# Altium PCB galileo_cleaned.PcbDoc (part 7 of 10)
Units mil, origin at the board's own origin, x right, y up, seen from the top; angles counter-clockwise.
Board outline 4205 x 2835.09 mil, 6 copper layers (TOP, PWR, LYR_1, LYR_2, GND, BOTTOM), stack 80.1 mil thick; 533 components, 432 nets, 2101 pads, 1155 vias.
Unrouted connection lines stored in the file: 669.
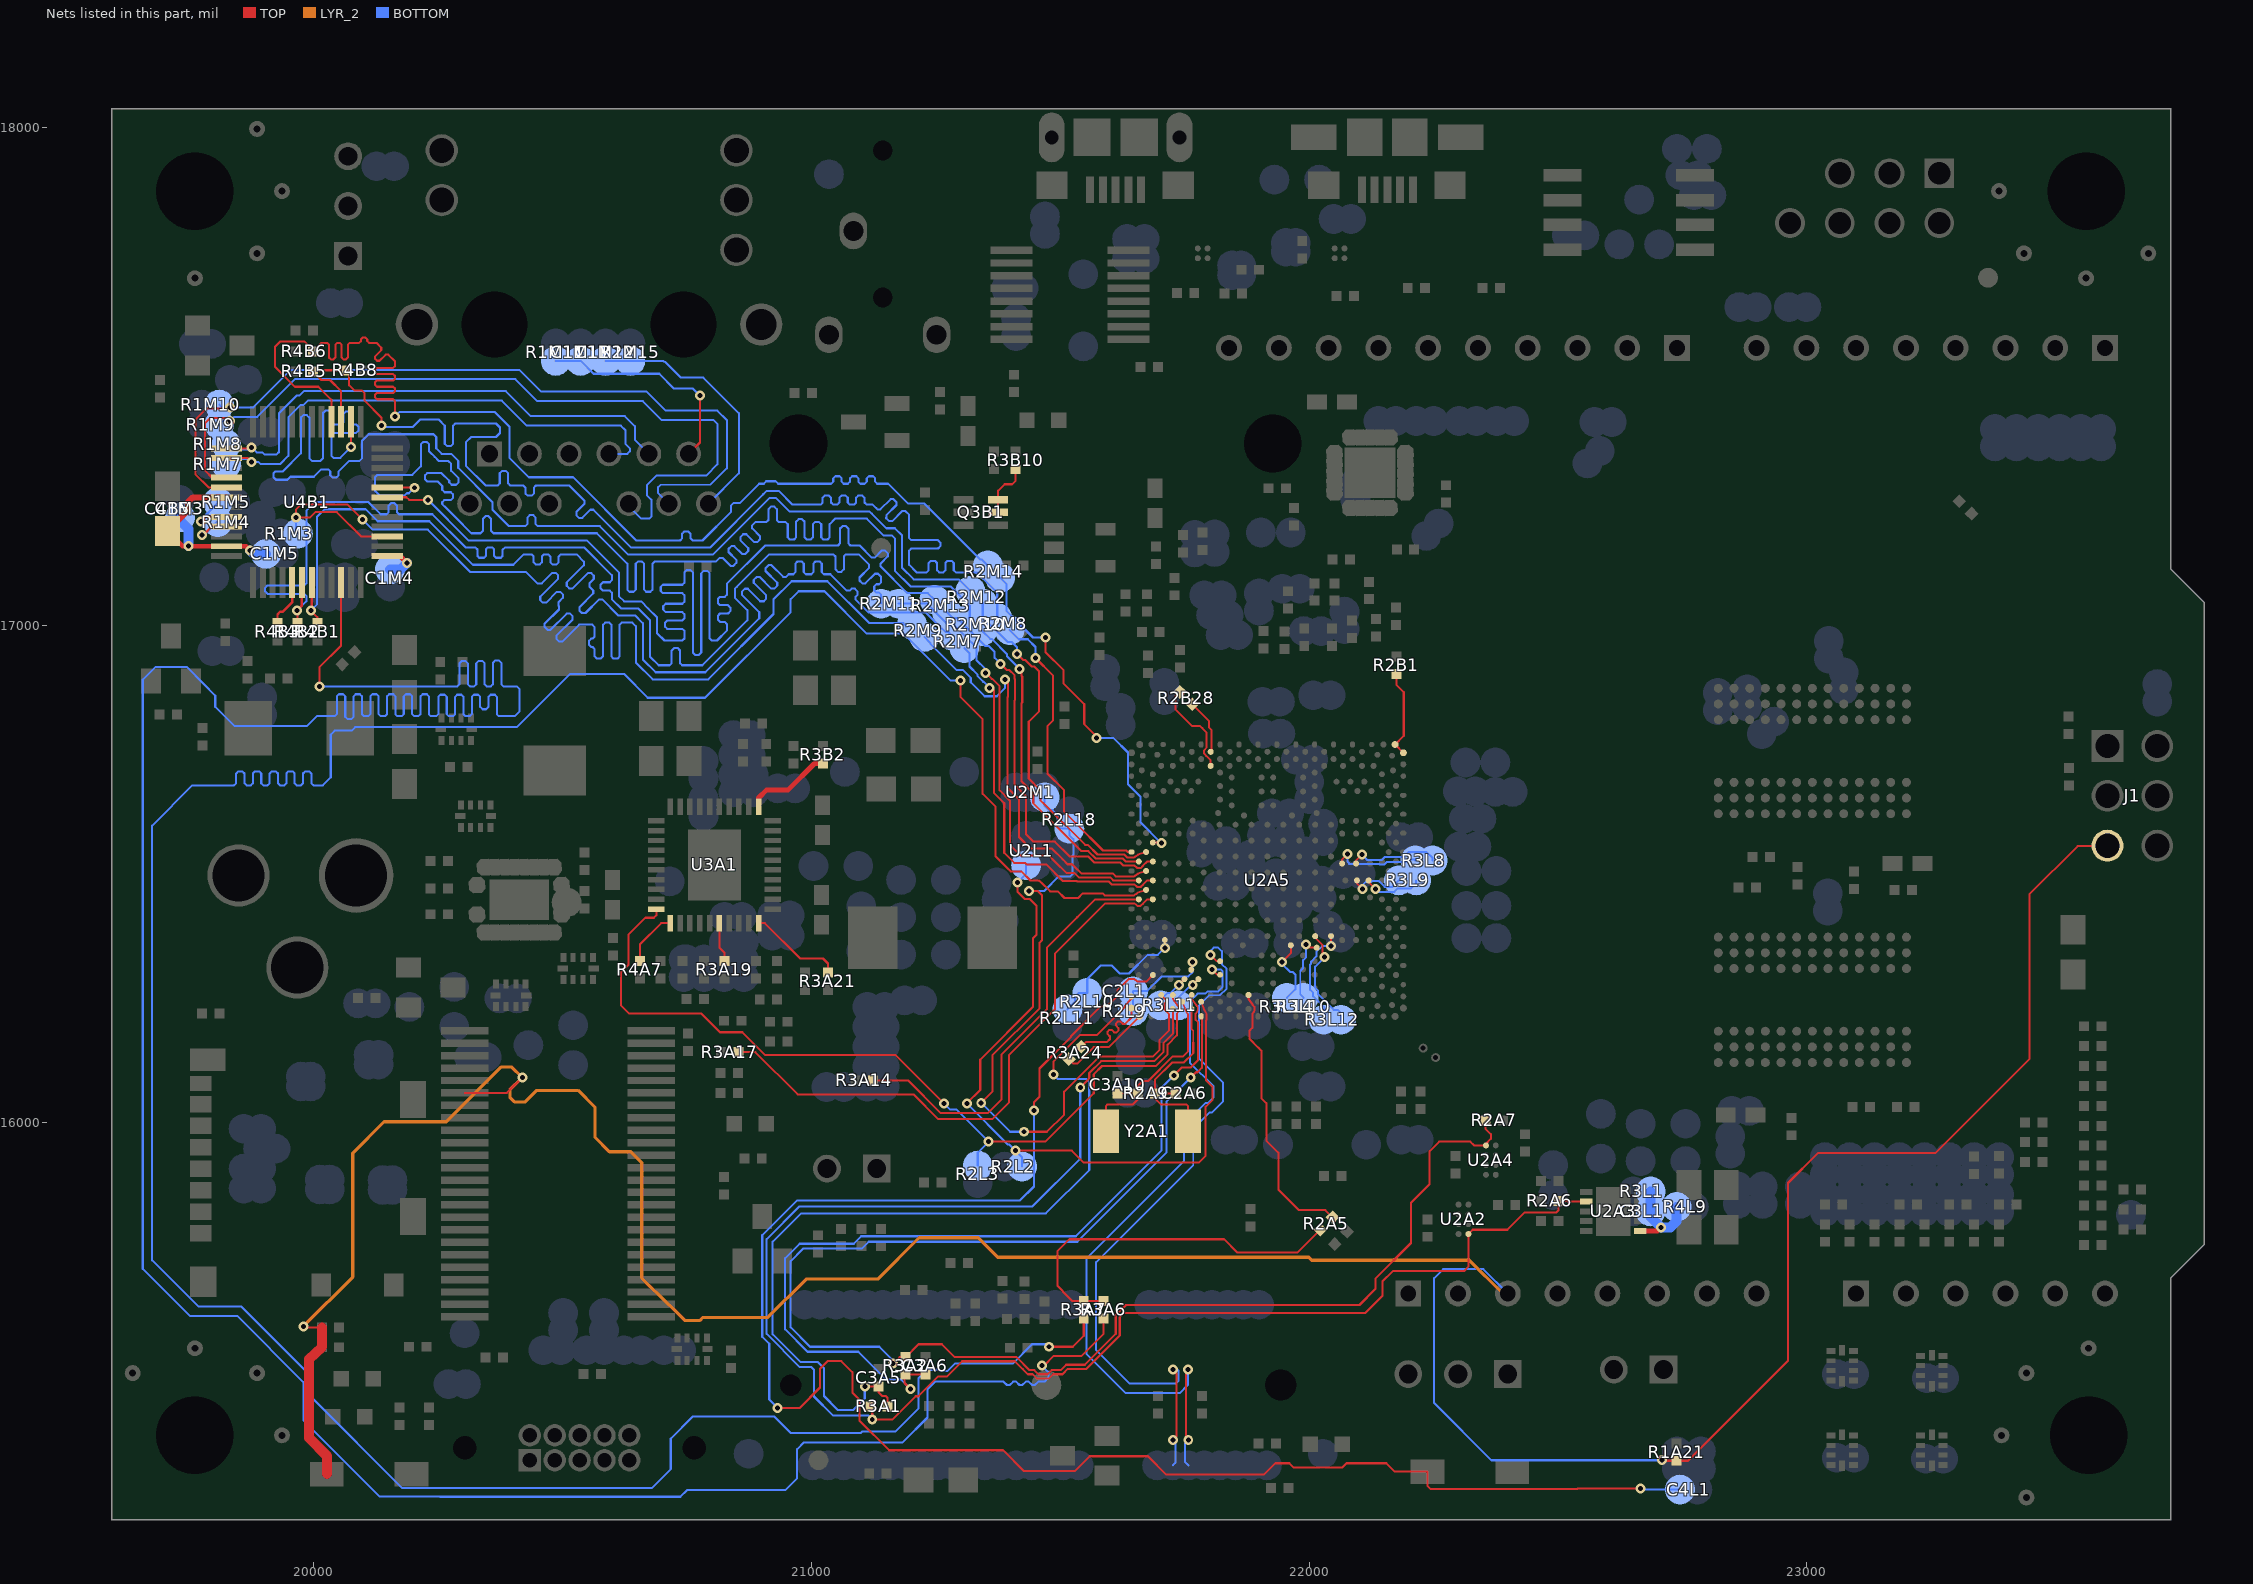
[diagram p11: the nets of this part, all layers, seen from the top]

## Via types
v1: diameter 20, hole 10, TOP to BOTTOM, 1096 vias
v2: diameter 18, hole 10, TOP to BOTTOM, 43 vias
v3: diameter 25, hole 25, TOP to BOTTOM, 16 vias

## Nets (pads, with @x,y where several pads share a name; then routed paths per layer and width w, separated by ;. In a path a pad name is that pad's centre, name@x,y a point inside that pad or via, vN(x,y) a via of type N, cw(c..) or ccw(c..) an arc to the next point about the centre after c; other vN are vias at no path point) (continued)
REF1_N: R3L11.2 U2A5.H6 | length 75.7
  TOP w4: v1(21738,16277) 21749.2,16288.2 U2A5.H6@21749.2,16288.62
  BOTTOM w4: R3L11.2@21702,16236 21702,16247 21716,16261 21722,16261 v1(21738,16277)
REF1_P: R3L11.1 U2A5.J6 | length 72.7
  TOP w4: v1(21766,16277) 21777.2,16288.2 U2A5.J6@21777.2,16288.62
  BOTTOM w4: R3L11.1@21737,16236 21735,16238 21735,16249 21763,16277 v1(21766,16277)
REFCLK0_N: U2A5.M6 | length 1464.6
  TOP w4: v1(21756,15504) 21752,15500 21752,15368 v1(21757,15363) ; v1(21804.98,16308.26) 21804.98,16308.12 21815.58,16297.52 U2A5.M6@21820.98,16297.52
  BOTTOM w3.99: 21774.9,16258.7 21776.31,16260.11 21791.89,16260.11 21796.04,16264.26 21817.26,16264.26 21826,16273 21826,16304.24 21821.98,16308.26 v1(21804.98,16308.26)
  BOTTOM w4: v1(21756,15504) 21756,15473.13 21739.87,15457 21631.13,15457 21553,15535.13 21553,15727.87 21748,15922.87 21748,15995.81 21792.19,16040 21797,16040 21808,16051 21808,16073 21760,16121 21760,16243.79 21761.21,16245 21774.9,16258.7 ; v1(21757,15363) 21750,15356 21750,15319.09 21757.51,15311.58
REFCLK0_P: U2A5.M8 | length 1460.2
  TOP w4: v1(21726,15363) 21733,15370 21733,15497 v1(21726,15504) ; v1(21802,16337) 21814.34,16324.66 U2A5.M8@21820.98,16324.66
  BOTTOM w3.99: 21788.34,16245.26 21789.04,16245.96 ; 21793.9,16250.82 21799.35,16256.27 21820.57,16256.27 21833.99,16269.69 21833.99,16309.31 21824.31,16318.99 21824.31,16344.69 21817,16352 21808,16352 21802,16346 v1(21802,16337)
  BOTTOM w4: 21726.02,15311.58 21731,15316.56 21731,15358 v1(21726,15363) ; v1(21726,15504) 21735,15504 21737,15502 21737,15481 21732,15476 21639,15476 21572,15543 21572,15720 21767,15915 21767,15987.94 21800.06,16021 21804.87,16021 21827,16043.13 21827,16080.87 21779,16128.87 21779,16235.92 21788.34,16245.26 ; 21789.04,16245.96 21793.9,16250.82
REFIN_VTT_REG: C3L1.1 R3L1.1 R4L9.2 U2A3.1 | length 190.7
  TOP w10: U2A3.1@22665,15782.62 22699.62,15782.62 v1(22707,15790)
  BOTTOM w20: R3L1.1@22686,15862 C3L1.1@22686,15822 22686,15811 v1(22707,15790) 22726,15790 22738,15802 R4L9.2@22738,15831
RESET_N: C4L1.1 U2A5.D6 | length 3604.5
  TOP w4: 21582,16234 21593.36,16234 21614.93,16255.57 21614.93,16266.91 21636.98,16288.96 21648.17,16288.96 21648.25,16288.9 ; 21648.19,16288.96 21648.25,16288.9 ; U2A5.D6@21685.82,16296.96 21672.56,16283.7 21654.69,16283.7 21652.05,16286.1 21648.25,16288.9
  TOP w4.2: v1(20932,15427) 20976,15427 21017,15468 21017,15506 21032,15521 21060,15521 21082,15499 21082,15458 21096.49,15443.5 21096.49,15401.5 21156,15342 21385,15342 21427,15300 21529,15300 21559,15330 21676,15330 21713,15293 21909,15293 21932,15316 21960,15316 21969,15307 22066,15307 22075,15316 22155,15316 22172,15299 22238,15299 22238,15270 22244,15264 22538,15264 22539,15265 v1(22666,15265) ; v1(21447,16025) 21447,16041 21458,16052 21458,16109.03 21521.5,16172.54 21521.5,16174.5 21581,16234 21582,16234
  BOTTOM w4.2: v1(20932,15427) 20915,15444 20915,15556 20901,15570 20901,15774 20971,15844 21419,15844 21447,15872 v1(21447,16025) ; v1(22666,15265) 22668,15263 C4L1.1@22745,15263
RESET_N_SHLD: J1.5 R1A21.2 | length 6587.3
  TOP w4.2: v1(19979,15591) 19981,15589 20016,15589 ; 20303,16060 20388,16060 v1(20419,16091) ; v1(22709,15322) 22710,15321 R1A21.2@22738,15321 22761,15321 22962,15522 22962,15879 23022,15939 23258,15939 23447,16128 23447,16459 23544,16556 23603,16556 J1.5@23604,16557
  TOP w20: 20016,15589 20016,15549 19990,15525 19990,15367 20026,15331 20026,15294
  LYR_2 w6.5: v1(19979,15591) 20078,15690 20078,15939 20141,16002 20266,16002 20376,16112 20398,16112 v1(20419,16091) 20394,16066 20394,16051 20403,16042 20425,16042 20448,16065 20531,16065 20565,16031 20565,15971 20594,15942 20637,15942 20659,15920 20659,15688 20713,15634 20714,15634 20745,15603 20776,15603 20782,15609 20912,15609 20989,15686 21133,15686 21216,15769 21335,15769 21374,15730 21999,15730 22005,15724 22322,15724 22389,15657 22399,15657
  BOTTOM w4.2: 22399,15657 22350,15706 22269,15706 22251,15688 22251,15437 22366,15322 v1(22709,15322)
RLIM1_1: R3A21.1 U3A1.10 | length 191
  TOP w4.2: U3A1.10@20893.58,16401.12 20906.18,16401.12 20977.3,16330 21023,16330 21033,16320 R3A21.1@21033,16302
RLIM1_2: R3B2.1 U3A1.21 | length 175.9
  TOP w10: U3A1.21@20893.58,16634.88 20893.58,16652.58 20910,16669 20953,16669 21006,16722 R3B2.1@21023,16722
RLIM1_3: R4A7.1 U3A1.1 | length 112.4
  TOP w4.2: R4A7.1@20655,16325 20655,16358.12 20698,16401.12 U3A1.1@20716.42,16401.12
RMII_I_X1: R3A6.2 U4B1.34 | length 6183.4
  TOP w4.2: v1(20011,16877) 20011,16915 20054.9,16958.9 U4B1.34@20054.9,17085.58 ; v1(21463,15512) 21467,15512 21486,15531 21542,15531 21587,15576 R3A6.2@21587,15607
  BOTTOM w4.2: v1(20011,16877) 20288.47,16877 20292.67,16881.2 20292.67,16923.08 20297.59,16928 20304.55,16928 20309.47,16923.08 20309.47,16881.2 20313.67,16877 20322.07,16877 20326.27,16881.2 20326.27,16923.08 20331.19,16928 20338.15,16928 20343.07,16923.08 20343.07,16881.2 20347.27,16877 20355.67,16877 20359.87,16881.2 20359.87,16924.08 20364.79,16929 20371.75,16929 20376.67,16924.08 20376.67,16881.2 20380.87,16877 20408,16877 20413,16872 20413,16826 20404,16817 20372.03,16817 20367.83,16821.2 20367.83,16855.8 20363.63,16860 20355.23,16860 20351.03,16855.8 20351.03,16835.92 20346.11,16831 20339.15,16831 20334.23,16835.92 20334.23,16855.8 20330.03,16860 20321.63,16860 20317.43,16855.8 20317.43,16821.2 20313.23,16817 20304.83,16817 20300.63,16821.2 20300.63,16855.8 20296.43,16860 20288.03,16860 20283.83,16855.8 20283.83,16821.2 20279.63,16817 20271.23,16817 20267.03,16821.2 20267.03,16855.8 20262.83,16860 20254.43,16860 20250.23,16855.8 20250.23,16821.2 20246.03,16817 20235.29,16817 20231.09,16821.2 20231.09,16856.8 20226.89,16861 20218.49,16861 20214.29,16856.8 20214.29,16821.2 20210.09,16817 20201.69,16817 20197.49,16821.2 20197.49,16856.8 20193.29,16861 20184.89,16861 20180.69,16856.8 20180.69,16821.2 20176.49,16817 20168.09,16817 20163.89,16821.2 20163.89,16856.8 20159.69,16861 20151.29,16861 20147.09,16856.8 20147.09,16821.2 20142.89,16817 20134.49,16817 20130.29,16821.2 20130.29,16856.8 20126.09,16861 20117.69,16861 20113.49,16856.8 20113.49,16821.2 20109.29,16817 20100.89,16817 20096.69,16821.2 20096.69,16856.8 20092.49,16861 20084.09,16861 20079.89,16856.8 20079.89,16815.92 20074.97,16811 20068.01,16811 20063.09,16815.92 20063.09,16856.8 20058.89,16861 20050.49,16861 20046.29,16856.8 20046.29,16821.2 20042.09,16817 20006,16817 19986,16797 19841,16797 19802,16836 19802,16858.42 19778.71,16881.71 19744.42,16916 19682,16916 19656.2,16890.2 19656.2,15706.8 19751,15612 19846,15612 19979,15479 19979,15402 20132.2,15248.8 20253.55,15248.8 20253.75,15248.6 20736.31,15248.6 20749.72,15262 20947,15262 20971,15286 20971,15344 20985,15358 21183.19,15358 21233,15407.81 21233,15465 21248,15480 21385.84,15480 21392.74,15473.1 21398.44,15473.1 21405.34,15480 21411.04,15480 21417.94,15473.1 21423.64,15473.1 21430.54,15480 21436.24,15480 21443.14,15473.1 21448.84,15473.1 21455.74,15480 21468,15480 21476,15488 21476,15499 v1(21463,15512)
RMII_REF_CLK_OUT: R2A5.2 R3A6.1 R3A7.1 | length 744
  TOP w4.2: R3A6.1@21587,15642 R3A7.1@21547,15642 21523.9,15642 21504,15661.9 21504,15663 21494,15673 21494,15742 21518,15766 21829,15766 21856,15739 21976,15739 R2A5.2@22022.25,15785.25
RMII_REF_CLK_R: R2A5.1 U2A5.T4 | length 554.7
  TOP w4: U2A5.T4@21877.99,16256.82 21878,16249.01 21887.16,16236.37 21888.53,16234.59 21890.07,16233.05 21890.07,16227.05 21888.86,16223.04 21886,16219.16 21886,16203.37 21885.99,16190.62 21880,16184.63 21880,16180.01 21879.99,16169.01 21898,16151
  TOP w4.2: 21898,16151 21904,16145 21904,16049.33 21914,16039.33 21914,15963.92 21938,15939.92 21938,15866 21979.5,15824.5 22032.5,15824.5 R2A5.1@22047,15810
RMII_REFCLK: R3A7.2 U2A5.C16 | length 6183.6
  TOP w4: 21526.46,16451.64 21536.01,16451.64 21545.37,16461 21584.99,16461 21589,16456.99 21647.67,16456.99 21652.3,16459.84 21656.3,16463.04 U2A5.C16@21672.26,16468
  TOP w4.2: v1(21299,16889) 21299,16856 21343.8,16811.2 21343.8,16661.2 21370,16635 21370,16535.1 21395.05,16510.05 21399.96,16505.15 21421.75,16505.15 21440,16486.9 21457.1,16486.9 21460.8,16483.2 21461.12,16483.2 21479.33,16465 21495,16465 21508.36,16451.64 21526.46,16451.64 ; v1(21477,15550) 21525,15550 21547,15572 R3A7.2@21547,15607
  BOTTOM w4.2: v1(21299,16889) 21279,16889 21185,16983 21111,16983 21026,17068 20974,17068 20958,17052 20958,17026 20786,16854 20671,16854 20623.1,16901.9 20514.9,16901.9 20408,16795 20083,16795 20076,16788 20042,16788 20034,16780 20034,16694 20018,16678 19999.3,16678 19995.1,16682.2 19995.1,16701.8 19990.9,16706 19982.5,16706 19978.3,16701.8 19978.3,16682.2 19974.1,16678 19965.7,16678 19961.5,16682.2 19961.5,16701.8 19957.3,16706 19948.9,16706 19944.7,16701.8 19944.7,16682.2 19940.5,16678 19932.1,16678 19927.9,16682.2 19927.9,16701.8 19923.7,16706 19915.3,16706 19911.1,16701.8 19911.1,16682.2 19906.9,16678 19898.5,16678 19894.3,16682.2 19894.3,16701.8 19890.1,16706 19881.7,16706 19877.5,16701.8 19877.5,16682.2 19873.3,16678 19864.9,16678 19860.7,16682.2 19860.7,16701.8 19856.5,16706 19848.1,16706 19843.9,16701.8 19843.9,16682.2 19839.7,16678 19756,16678 19675.2,16597.2 19675.2,15723.8 19768,15631 19853.67,15631 19996.2,15488.47 19996.2,15447.8 20178,15266 20260.67,15266 20260.88,15265.8 20676.12,15265.8 20676.33,15266 20679.15,15266 20717.2,15304.05 20717.2,15365.28 20761.72,15409.8 20925.2,15409.8 20958.2,15376.8 21099.13,15376.8 21102.33,15380 21169,15380 21215.1,15426.1 21215.1,15471.67 21215,15471.77 21215,15487 21231.87,15503.87 21254.34,15503.87 21257.33,15500.9 21272.9,15500.9 21288,15516 21404,15516 21443,15555 21472,15555 v1(21477,15550)
RMII_S0_CT1: C1M12.1 R2M15.2 | length 518.4
  BOTTOM w4.2: C1M12.1@20586,17531 R2M15.2@20636,17531 20701.77,17531 20703.4,17529.91 20706.28,17528.72 20737.81,17497.19 20782.81,17497.19 20854,17426 20854,17305 20793,17244
RMII_S0_CT2: C1M11.1 R1M11.2 | length 445.5
  TOP w4.2: 20753,17344 20776,17367 v1(20776,17461)
  BOTTOM w4.2: R1M11.2@20486,17531 C1M11.1@20536,17531 20562,17505 20694,17505 20723.5,17475.5 20761.5,17475.5 v1(20776,17461)
RMII_S0_MDC: R2M7.2 R4B1.2 U4B1.31 | length 2518.6
  TOP w4.2: 19995.84,17046.58 19995.84,17030.84 v1(19994,17029) 20007,17016 R4B1.2@20007,17004
  TOP w5: 19995.84,17046.58 U4B1.31@19995.84,17085.58
  BOTTOM w4.2: v1(19994,17029) 20006.1,17041.1 20006.1,17217.1 20021.8,17232.8 20104,17232.8 20128.2,17208.6 20232.22,17208.6 20319.62,17121.2 20401,17121.2 20421.8,17142 20437.32,17142 20441.52,17137.8 20441.52,17126.2 20445.72,17122 20454.12,17122 20458.32,17126.2 20458.32,17137.8 20462.52,17142 20470.92,17142 20475.12,17137.8 20475.12,17126.2 20479.32,17122 20487.72,17122 20491.92,17126.2 20491.92,17137.8 20496.12,17142 20528,17142 20542.71,17127.29 20542.71,17120.33 20508.17,17085.79 20508.17,17078.83 20513.09,17073.91 20520.05,17073.91 20550.59,17104.45 20557.55,17104.45 20562.47,17099.53 20562.47,17092.57 20553.93,17084.03 20553.93,17077.07 20561.43,17069.57 20561.43,17063.63 20533.88,17036.08 20533.88,17029.12 20538.8,17024.2 20545.76,17024.2 20573.31,17051.75 20579.25,17051.75 20611.8,17019.2 20645.89,17019.2 20661.2,17003.89 20661.2,16930.8 20686.8,16905.2 20786.52,16905.2 20895,17013.68 20895,17026.18 20860.07,17061.11 20860.07,17067.05 20866.02,17073 20871.94,17072.99 20896.99,17047.93 20903.93,17047.93 20908.87,17052.87 20908.87,17059.83 20883.83,17084.87 20883.83,17090.81 20889.78,17096.76 20895.7,17096.75 20919.21,17073.24 20925.15,17073.24 20931.09,17079.18 20931.1,17085.12 20907.59,17108.63 20907.59,17114.57 20913.54,17120.52 20919.46,17120.51 20942.97,17097 20948.91,17097 20954.17,17102.26 20963.37,17102.26 20967.57,17106.46 20967.57,17123.6 20971.77,17127.8 20980.17,17127.8 20984.37,17123.6 20984.37,17106.46 20988.57,17102.26 20999.62,17102.26 21003.82,17106.46 21003.82,17123.6 21008.02,17127.8 21016.42,17127.8 21020.62,17123.6 21020.62,17106.46 21024.82,17102.26 21037.65,17102.26 21070.79,17069.12 21076.73,17069.12 21080.83,17073.22 21086.77,17073.21 21092.71,17067.27 21092.71,17061.33 21088.61,17057.23 21088.6,17051.31 21114.91,17025 21230.13,17025 21257.21,16997.92 21269.38,16985.76 21275.24,16985.76 R2M7.2@21282.25,16978.75
RMII_S0_MDC_R: R2M7.1 U2A5.D17 | length 779.9
  TOP w4: 21524.45,16485.6 21533.08,16485.6 21533.66,16485.02 21596.74,16485.02 21602.76,16479 21648.17,16479 21648.25,16478.94 21652.05,16476.14 21654.69,16473.74 21660.99,16473.74 21664.14,16476.89 21665.7,16478.1 21674.6,16487
  TOP w4.2: v1(21358,16874) 21362,16874 21367,16869 21367,16662.33 21387.2,16642.12 21387.2,16542.22 21407.08,16522.35 21428.88,16522.35 21431.88,16519.35 21471.65,16519.35 21505.4,16485.6 21524.45,16485.6 ; 21674.6,16487 U2A5.D17@21685.82,16487
  BOTTOM w4.2: R2M7.1@21307,16954 21317.3,16943.7 21317.3,16916.7 21333.9,16900.1 21333.9,16897.33 21345.13,16886.1 21345.9,16886.1 v1(21358,16874)
RMII_S0_MDIO: R2M11.2 R4B2.2 U4B1.30 | length 2387.1
  TOP w4.2: v1(19966,17029) 19967,17028 R4B2.2@19967,17004
  TOP w5: v1(19966,17029) 19976.16,17039.16 U4B1.30@19976.16,17085.58
  BOTTOM w4.2: v1(19966,17029) 19985,17048 19985,17058.7 19980.8,17062.9 19906.92,17062.9 19902,17067.82 19902,17074.78 19906.92,17079.7 19980.8,17079.7 19985,17083.9 19985,17230 20002,17247 20109.89,17247 20134.09,17222.8 20146.01,17222.8 20150.21,17227 20150.21,17240.08 20155.13,17245 20162.09,17245 20167.01,17240.08 20167.01,17227 20171.21,17222.8 20238.11,17222.8 20304.71,17156.2 20324.58,17156.2 20328.78,17152 20328.78,17138.92 20332.3,17135.4 20342.06,17135.4 20345.58,17138.92 20345.58,17152 20349.78,17156.2 20358.18,17156.2 20362.38,17152 20362.38,17138.92 20365.9,17135.4 20375.66,17135.4 20379.18,17138.92 20379.18,17151.08 20384.3,17156.2 20542.8,17156.2 20598.8,17100.2 20598.8,17090.34 20594.6,17086.14 20580.92,17086.14 20576,17081.22 20576,17074.26 20580.92,17069.34 20594.6,17069.34 20598.8,17065.14 20598.8,17052.3 20617.7,17033.4 20651.78,17033.4 20675.4,17009.78 20675.4,16936.69 20692.69,16919.4 20714.85,16919.4 20719.05,16923.6 20719.05,16949.08 20723.97,16954 20730.93,16954 20735.85,16949.08 20735.85,16923.6 20740.05,16919.4 20780.63,16919.4 20871,17009.77 20871,17030.09 20845.87,17055.22 20845.87,17072.94 20849.96,17077.04 20914.92,17142 21043.93,17142 21048.13,17137.8 21048.13,17111.92 21053.05,17107 21060.01,17107 21064.93,17111.92 21064.93,17137.8 21069.13,17142 21094.64,17142 21115.66,17120.98 21115.66,17115.04 21096.28,17095.66 21096.28,17089.72 21102.22,17083.78 21108.16,17083.78 21127.54,17103.16 21133.48,17103.16 21140,17096.64 21140,17086.3 21135.8,17082.1 21130.2,17082.1 21126,17077.9 21126,17069.5 21130.2,17065.3 21135.8,17065.3 21140,17061.1 R2M11.2@21140,17043
RMII_S0_MDIO_R: R2M11.1 U2A5.B17 | length 906.5
  TOP w4: 21398.4,16559 21420.7,16536.7 21477.25,16536.7 21489.97,16523.97 21512.44,16501.5 21528.5,16501.5 21536.98,16493.02 21600.07,16493.02 21606.08,16487 U2A5.B17@21657.59,16487
  TOP w4.2: v1(21350,16904) 21362,16892 21363,16892 21378,16877 21378,16668 21398.4,16647.6 21398.4,16559
  BOTTOM w4.2: R2M11.1@21175,17043 21232.22,17043 21261.11,17014.11 21269.23,17006 21275.27,16999.96 21286.94,16999.96 21308.95,16977.95 21331.5,16955.41 21331.5,16929.5 21350,16911 v1(21350,16904)
RMII_S0_PFB: C1M3.1 C1M4.1 C1M5.1 C4B5.1 U4B1.18 U4B1.23 U4B1.37 | length 522.9
  TOP w10: C4B5.1@19706,17189 19736.58,17158.42 U4B1.23@19824.58,17158.42 19863.58,17158.42 v1(19872,17150) ; U4B1.37@20147.42,17138.73 20173.27,17138.73 v1(20187,17125)
  TOP w12: C4B5.1@19706,17189 19747,17230 19747,17247 19756.84,17256.84 U4B1.18@19824.58,17256.84
  BOTTOM w20: C1M3.1@19731,17216.5 19731,17210 19748,17193 v1(19748,17159) ; v1(19872,17150) 19879,17143 C1M5.1@19904,17143 ; C1M4.1@20153,17112 20174,17112 v1(20187,17125)
RMII_S0_RDN: R1M8.2 U4B1.13 | length 1078.6
  TOP w4: U4B1.13@19824.58,17355.27 19873.27,17355.27 v1(19875,17357)
  BOTTOM w4: R1M8.2@19824,17363 19834,17353 19871,17353 v1(19875,17357) 19885,17347 19896.37,17347 19900.37,17343 19925.19,17343 19930,17347.81 19930,17425.87 19965.13,17461 19971.08,17461 19980.08,17470 20385.87,17470 20435.87,17420 20624.87,17420 20645,17399.87 20645,17372 20673,17344
RMII_S0_RDP: R1M7.2 U4B1.14 | length 1077.8
  TOP w4: U4B1.14@19824.58,17335.58 19867.42,17335.58 v1(19875,17328)
  BOTTOM w4: R1M7.2@19824,17323 19835,17334 19869,17334 v1(19875,17328) 19888.5,17328 19892.5,17324 19933.06,17324 19949,17339.94 19949,17418 19973.11,17442.11 19979.06,17442.11 19987.95,17451 20378,17451 20428,17401 20617,17401 20626,17392 20626,17364.13 20635,17355.13 20635,17349 20630,17344 20593,17344
RMII_S0_RST_N: R4B3.2 U4B1.29 | length 97
  TOP w5: R4B3.2@19927,17004 19927,17021.5 19932.5,17027 19938,17027 19956.47,17045.47 U4B1.29@19956.47,17085.58
RMII_S0_RSV1: R1M5.2 U4B1.20 | length 109.3
  TOP w5: v1(19773,17208) 19773,17209.27 19781.2,17217.47 U4B1.20@19824.58,17217.47
  BOTTOM w5: v1(19773,17208) 19773,17211 19807,17245 R1M5.2@19807,17247
RMII_S0_RSV2: R1M4.2 U4B1.21 | length 99.3
  TOP w5: v1(19775,17181) 19778,17181 19794.79,17197.79 U4B1.21@19824.58,17197.79
  BOTTOM w5: v1(19775,17181) 19779,17181 19805,17207 R1M4.2@19807,17207
RMII_S0_RX_DV: R2M9.2 U2A5.C18 | length 862.5
  TOP w4: 21528,16515 21541.98,16501.02 21604.98,16501.02 21611,16495 21647.67,16495 21652.3,16497.85 21656.3,16501.05 U2A5.C18@21672.26,16506
  TOP w4.2: v1(21389,16891) 21395,16885 21395,16855.91 21393.8,16854.71 21393.8,16673.2 21416.8,16650.2 21416.8,16585.89 21416.79,16574.12 21440.11,16550.8 21483.11,16550.8 21504.45,16529.45 21514.4,16519.5 21523.5,16519.5 21528,16515
  BOTTOM w4.2: R2M9.2@21226.75,16976.25 21238.84,16964.16 21238.84,16962.16 21291,16910 21303.91,16910 21320,16893.91 21320,16885 21348,16857 21372.1,16857 21389,16873.9 v1(21389,16891)
RMII_S0_RX_DV_R: R1M3.2 R2M9.1 U4B1.39 | length 2435.1
  TOP w4.2: v1(20098,17212) 20068,17242 19974,17242 19964,17232 v1(19964,17216) 19992,17216 20003,17227 20046,17227 20094.9,17178.1 U4B1.39@20147.42,17178.1
  BOTTOM w4.2: v1(19964,17216) 19964,17188 R1M3.2@19968,17184 ; v1(20098,17212) 20118.1,17191.9 20228.83,17191.9 20313.73,17107 20426,17107 20449,17084 20458.18,17084 20479.11,17104.93 20486.07,17104.93 20490.99,17100.01 20490.99,17093.05 20454.95,17057.01 20454.95,17050.05 20459.87,17045.13 20466.83,17045.13 20488.37,17066.67 20495.33,17066.67 20500.25,17061.75 20500.25,17054.79 20492,17046.54 20492,17038 20492.64,17037.36 20492.64,17031.42 20463.58,17002.36 20463.58,16996.42 20469.52,16990.48 20475.46,16990.48 20508.01,17023.03 20514.97,17023.03 20519.89,17018.11 20519.89,17011.15 20487.34,16978.6 20487.34,16972.66 20493.28,16966.72 20499.22,16966.72 20533.3,17000.8 20559.36,17000.8 20564.16,16996 20564.16,16977.03 20559.96,16972.83 20557.2,16972.83 20553,16968.63 20553,16960.23 20557.2,16956.03 20559.96,16956.03 20564.16,16951.83 20564.16,16937.2 20568.36,16933 20576.76,16933 20580.96,16937.2 20580.96,17000.8 20585.16,17005 20593.56,17005 20597.76,17000.8 20597.76,16937.2 20601.96,16933 20610.36,16933 20614.56,16937.2 20614.56,17000.8 20618.76,17005 20640,17005 20647,16998 20647,16924.92 20680.92,16891 20792.41,16891 20923.71,17022.3 20923.71,17051.71 20960.06,17088.06 21031.76,17088.06 21115.62,17004.2 21183.89,17004.2 21187.09,17001 R2M9.1@21202,17001
RMII_S0_RXD0: R2M13.2 U2A5.D20 | length 813.6
  TOP w4: 21548,16535 21556,16535 21567.98,16523.02 21619.98,16523.02 21625.99,16517.01 21648.17,16517.01 21648.25,16516.95 21652.05,16514.15 21654.69,16511.75 21660.99,16511.75 21664.14,16514.9 21665.7,16516.11 21674.6,16525.01 U2A5.D20@21685.82,16525.01
  TOP w4.2: v1(21380,16922) 21392.1,16909.9 21397.1,16909.9 21408,16899 21408,16892.09 21409.2,16890.89 21409.2,16850.02 21408,16848.82 21408,16679.08 21431,16656.08 21431,16580 21446,16565 21489,16565 21519,16535 21548,16535
  BOTTOM w4.2: R2M13.2@21271.75,17026.25 21283.84,17014.16 21292.84,17014.16 21349,16958 21355.9,16958 21367.9,16946 21367.9,16934.1 v1(21380,16922)
RMII_S0_RXD0_R: R2M13.1 U4B1.43 | length 2453.5
  TOP w4.2: U4B1.43@20147.42,17256.84 20186.02,17256.84 20191.36,17251.5 v1(20229.5,17251.5)
  BOTTOM w4.2: v1(20229.5,17251.5) 20310.6,17170.4 20548.69,17170.4 20613,17106.09 20613,17058.19 20623.59,17047.6 20657.67,17047.6 20672.14,17033.14 20689.6,17015.67 20689.6,16984 20704.6,16969 20740.55,16969 20744.75,16973.2 20744.75,16988.34 20740.55,16992.54 20710.2,16992.54 20706,16996.74 20706,17005.14 20710.2,17009.34 20740.55,17009.34 20744.75,17013.54 20744.75,17021.94 20740.55,17026.14 20706.92,17026.14 20702,17031.06 20702,17038.02 20706.92,17042.94 20740.55,17042.94 20744.75,17047.14 20744.75,17060 20740.55,17064.2 20701.2,17064.2 20697,17068.4 20697,17076.8 20701.2,17081 20740.55,17081 20744.75,17085.2 20744.75,17106.08 20749.67,17111 20756.63,17111 20761.55,17106.08 20761.55,16944.92 20766.47,16940 20773.43,16940 20778.35,16944.92 20778.35,17104.08 20783.27,17109 20790.23,17109 20795.15,17104.08 20795.15,16973.2 20799.35,16969 20810.14,16969 20830,16988.86 20830,17002.23 20825.8,17006.43 20816.2,17006.43 20812,17010.63 20812,17019.03 20816.2,17023.23 20832.08,17023.23 20837,17028.15 20837,17035.11 20832.08,17040.03 20816.2,17040.03 20812,17044.23 20812,17052.63 20816.2,17056.83 20825.8,17056.83 20830,17061.03 20830,17083 20907,17160 21053.08,17160 21057.28,17164.2 21057.28,17194.08 21062.2,17199 21069.16,17199 21074.08,17194.08 21074.08,17164.2 21078.28,17160 21096.73,17160 21121.14,17135.59 21127.08,17135.59 21141.57,17150.08 21147.51,17150.08 21153.45,17144.14 21153.45,17138.2 21138.96,17123.71 21138.96,17117.77 21192.53,17064.2 21233.8,17064.2 R2M13.1@21247,17051
RMII_S0_RXD1: R2M10.2 U2A5.B20 | length 651.8
  TOP w4: 21547,16546 21556.32,16546 21571.3,16531.02 21624.98,16531.02 21630.99,16525.01 U2A5.B20@21657.59,16525.01
  TOP w4.2: v1(21418,16912) 21418,16909.09 21422.2,16904.89 21422.2,16897.98 21423.4,16896.78 21423.4,16844.13 21422.2,16842.93 21422.2,16685.8 21445.6,16662.4 21445.6,16642.4 21542,16546 21547,16546
  BOTTOM w4.2: R2M10.2@21342.75,16988.25 21358.8,16972.2 21361.79,16972.2 21393,16940.99 21393,16937 v1(21418,16912)
RMII_S0_RXD1_R: R2M10.1 U4B1.44 | length 2608.5
  TOP w4.2: U4B1.44@20147.42,17276.53 20201.47,17276.53 v1(20202,17276)
  BOTTOM w4.2: v1(20202,17276) 20191,17265 20187,17265 20182,17260 20133,17260 20123,17270 20123,17297 20128,17302 20198,17302 20215.11,17319.11 20215.11,17363.11 20220,17368 20226.91,17368 20231.8,17363.11 20231.8,17349.11 20233,17347.91 20242.95,17337.95 20251.11,17329.8 20270.11,17329.8 20275.95,17323.96 20275.95,17309.96 20291,17294.92 20291,17287 20286,17282 20277,17282 20272,17287 20272,17290 20256.6,17305.4 20227.92,17305.4 20223,17300.48 20223,17293.52 20227.92,17288.6 20249,17288.6 20258,17279.6 20258,17272 20263,17267 20275.31,17267 20280,17262.31 20280,17255.69 20275.31,17251 20262,17251 20258,17247 20258,17243.09 20265.51,17235.58 20283.55,17217.55 20316.5,17184.6 20335,17184.6 20340,17189.6 20340,17214 20345,17219 20351,17219 20356,17214 20356,17189.6 20361,17184.6 20568.58,17184.6 20629.98,17123.2 20629.98,17071.2 20634.18,17067 20642.58,17067 20646.78,17071.2 20646.78,17123.2 20650.98,17127.4 20659.38,17127.4 20663.58,17123.2 20663.58,17071.2 20667.78,17067 20676.18,17067 20680.38,17071.2 20680.38,17123.2 20684.58,17127.4 20807.67,17127.4 20815.31,17135.04 20821.25,17135.05 20837.17,17119.13 20843.11,17119.13 20849.06,17125.08 20849.05,17131 20833.13,17146.92 20833.13,17152.86 20839.07,17158.8 20845.01,17158.81 20860.93,17142.89 20866.87,17142.89 20872.82,17148.84 20872.81,17154.76 20856.89,17170.68 20856.89,17176.62 20862.83,17182.56 20868.77,17182.57 20884.69,17166.65 20890.63,17166.65 20896.58,17172.6 20896.57,17178.52 20880.65,17194.44 20880.65,17200.38 20887.27,17207 20909.27,17207 20913.47,17211.2 20913.47,17233.08 20918.39,17238 20925.35,17238 20930.27,17233.08 20930.27,17211.2 20934.47,17207 20948.06,17207 20952.26,17202.8 20952.26,17176.2 20956.46,17172 20964.86,17172 20969.06,17176.2 20969.06,17208.08 20973.98,17213 20980.94,17213 20985.86,17208.08 20985.86,17176.2 20990.06,17172 20998.46,17172 21002.66,17176.2 21002.66,17202.8 21006.86,17207 21015.26,17207 21019.46,17202.8 21019.46,17176.2 21023.66,17172 21032.06,17172 21036.26,17176.2 21036.26,17202.8 21047.26,17213.8 21111.02,17213.8 21126.41,17198.41 21134.92,17189.91 21144.42,17180.43 21161.48,17180.43 21167.6,17174.31 21167.6,17109.22 21199.22,17077.6 21279.4,17077.6 21318,17039 R2M10.1@21318,17013
RMII_S0_TDN: R1M9.2 U4B1.16 | length 1648.1
  TOP w4: U4B1.16@19824.58,17296.21 19823.9,17295.53 19796.34,17295.53 19781,17310.87 19781,17405.13 19792.37,17416.5 19825.5,17416.5 v1(19832,17410)
  BOTTOM w4: R1M9.2@19810,17403 19817,17410 v1(19832,17410) 19840.5,17418.5 19886.37,17418.5 19961.87,17494 20405,17494 20449,17450 20661.05,17450 20668.92,17442.12 20699.05,17412 20803.13,17412 20810.9,17404.23 20810.9,17322.85 20789.05,17301 20688.86,17301 20669,17281.14 20669,17261 20678,17252 20678,17218 20674,17214 20658,17214 20633,17239 20633,17244
RMII_S0_TDP: R1M10.2 U4B1.17 | length 1651.9
  TOP w4: U4B1.17@19824.58,17276.53 19788.47,17276.53 19762,17303 19762,17413 19784.5,17435.5 19830.5,17435.5 v1(19832,17437)
  BOTTOM w4: R1M10.2@19810,17443 19816,17437 v1(19832,17437) 19832.06,17436.94 19832.63,17437.5 19878.5,17437.5 19954,17513 20412.87,17513 20456.87,17469 20668.92,17469 20706.92,17431 20811,17431 20829.9,17412.1 20829.9,17314.98 20796.92,17282 20696.73,17282 20691.87,17277.14 20691.87,17265.13 20713,17244
RMII_S0_TX_EN: R2M12.2 U4B1.2 | length 2535.7
  TOP w4.2: U4B1.2@20074.58,17408.42 20074.58,17358.42 v1(20075,17358)
  BOTTOM w4.2: v1(20075,17358) 20053,17336 20039.48,17336 20035.28,17340.2 20035.28,17381.99 20039.48,17386.19 20085.08,17386.19 20090,17391.11 20090,17398.07 20085.08,17402.99 20080.05,17402.99 20075.85,17407.19 20075.85,17424.08 20070.93,17429 20063.97,17429 20059.05,17424.08 20059.05,17407.19 20054.85,17402.99 20039.48,17402.99 20035.28,17407.19 20035.28,17426.08 20030.36,17431 20023.4,17431 20018.48,17426.08 20018.48,17335 20013.48,17330 19996,17330 19991,17335 19991,17417.02 19986.02,17422 19978.98,17422 19974,17417.02 19974,17345 19938,17309 19923,17309 19919,17305 19919,17297 19924,17292 19947,17292 19953,17298 20000,17298 20015,17313 20028.8,17313 20033,17308.8 20033,17300.98 20037.2,17296.78 20045.6,17296.78 20049.8,17300.98 20049.8,17308.8 20071,17330 20092,17330 20096.5,17334.5 20096.5,17370 20110,17383.5 20240.5,17383.5 20246,17378 20246,17355 20257,17344 20276,17344 20289.88,17330.12 20290.15,17329.84 20290.15,17315.85 20359.02,17246.98 20359.02,17231.98 20392.2,17198.8 20424.71,17198.8 20428.91,17203 20428.91,17216.08 20433.83,17221 20440.79,17221 20445.71,17216.08 20445.71,17203 20449.91,17198.8 20574.47,17198.8 20631.67,17141.6 20801.78,17141.6 20915.18,17255 20929,17255 20956,17228 21116.9,17228 21120.94,17223.96 21144.96,17199.96 21150.3,17194.63 21167.37,17194.63 21181.8,17180.2 21181.8,17115.11 21205.11,17091.8 21296.2,17091.8 R2M12.2@21319.25,17068.75
RMII_S0_TX_EN_R: R2M12.1 U2A5.C21 | length 733.7
  TOP w4: 21555.32,16558.32 21574.62,16539.02 21628.79,16539.02 21634.8,16533.01 21647.67,16533.01 21652.3,16535.86 21656.3,16539.06 U2A5.C21@21672.26,16544.01
  TOP w4.2: v1(21413,16942) 21425.1,16929.9 21429.1,16929.9 21442,16917 21446.9,16917 21457.23,16906.68 21457.23,16826.83 21436.4,16806 21436.4,16691.68 21459.8,16668.28 21459.8,16648.29 21468.05,16640.05 21549.78,16558.32 21555.32,16558.32
  BOTTOM w4.2: R2M12.1@21344,17044 21344,17016 21394,16966 21402,16966 21413,16955 v1(21413,16942)
RMII_S0_TXD0: R2M8.2 R4B5.1 R4B8.2 U4B1.3 | length 2675.6
  TOP w4.2: U4B1.3@20054.9,17408.42 20054.9,17470.1 20032.5,17492.5 20015.5,17492.5 R4B5.1@19998,17510 20000,17512 R4B8.2@20066,17512 20071,17507 20071,17482 20082,17471 20097,17471 20102,17466 20102,17451 20136,17417 v1(20136,17401)
  BOTTOM w4.2: v1(20136,17401) 20139,17398 20199,17398 20214,17413 20250.93,17413 20263.13,17400.8 20263.13,17364.2 20267.33,17360 20275.73,17360 20279.93,17364.2 20279.93,17400.8 20284.13,17405 20366,17405 20374,17397 20374,17386 20366,17378 20316,17378 20305.55,17367.55 20305.55,17320.53 20345.58,17280.5 20369.28,17280.5 20373.48,17284.7 20373.48,17305.08 20378.4,17310 20385.36,17310 20390.28,17305.08 20390.28,17284.7 20394.48,17280.5 20421.13,17280.5 20425.33,17276.3 20425.33,17264.2 20429.53,17260 20437.93,17260 20442.13,17264.2 20442.13,17276.3 20446.33,17280.5 20512.86,17280.5 20543.83,17249.53 20543.83,17243.59 20527.6,17227.36 20527.6,17220.4 20532.52,17215.48 20539.49,17215.48 20555.72,17231.71 20561.64,17231.72 20637.56,17155.8 20795.89,17155.8 20903.04,17262.95 20909.3,17269.2 20934.88,17269.2 20961.88,17242.2 21018.2,17242.2 21022.4,17246.4 21022.4,17255.8 21026.6,17260 21035,17260 21039.2,17255.8 21039.2,17246.4 21043.4,17242.2 21051.8,17242.2 21056,17246.4 21056,17255.8 21060.2,17260 21068.6,17260 21072.8,17255.8 21072.8,17246.4 21077,17242.2 21085.4,17242.2 21089.6,17246.4 21089.6,17255.8 21093.8,17260 21102.2,17260 21106.4,17255.8 21106.4,17246.4 21110.6,17242.2 21122.78,17242.2 21126.83,17238.16 ; 21126.84,17238.16 21129.49,17235.51 21132.43,17232.59 21138.37,17232.59 21158.88,17253.1 21164.82,17253.09 21170.76,17247.15 21170.76,17241.21 21150.25,17220.7 21150.24,17214.78 21156.19,17208.83 21162.13,17208.83 21182.64,17229.34 21188.58,17229.33 21196,17221.91 21196,17174.82 21200.2,17170.62 21254.08,17170.62 21259,17165.7 21259,17158.74 21254.08,17153.82 21200.2,17153.82 21196,17149.62 21196,17121 21211,17106 21231.21,17106 21235.41,17110.2 21235.41,17124.8 21239.61,17129 21248.01,17129 21252.21,17124.8 21252.21,17110.2 21256.41,17106 21264.81,17106 21269.01,17110.2 21269.01,17124.8 21273.21,17129 21281.61,17129 21285.81,17124.8 21285.81,17110.2 21290.01,17106 21332,17106 21373.25,17064.75 R2M8.2@21373.25,17014.75
RMII_S0_TXD0_R: R2M8.1 U2A5.A21 | length 598.8
  TOP w4.2: v1(21450,16934) 21485,16899 21485,16808 21474,16797 21474,16701.91 21507,16668.91 21507,16625.89 21530.95,16601.95 21585.78,16547.12 21632.15,16547.12 21633.64,16545.64 21635.27,16544.01 U2A5.A21@21642.93,16544.01
  BOTTOM w4.2: R2M8.1@21398,16990 21416.5,16971.5 21434.5,16971.5 21450,16956 v1(21450,16934)
RMII_S0_TXD1: R2M14.2 R4B6.1 U4B1.4 | length 2548.8
  TOP w4.2: U4B1.4@20035.21,17408.42 20035.21,17453 20009.21,17479 19962,17479 19922,17519 19922,17559 19933,17570 19981,17570 19998,17553 R4B6.1@19998,17550 20015,17567 20026.84,17567 20030.53,17563.31 20030.53,17537.69 20034.22,17534 20039.44,17534 20043.13,17537.69 20043.13,17563.31 20046.82,17567 20052.04,17567 20055.73,17563.31 20055.73,17537.69 20059.42,17534 20064.64,17534 20068.33,17537.69 20068.33,17563.31 20072.02,17567 20091.07,17567 20094.76,17570.69 20094.76,17574.11 20098.45,17577.8 20103.67,17577.8 20107.36,17574.11 20107.36,17570.69 20111.05,17567 20126,17567 20135.4,17557.6 20135.4,17552.38 20123.12,17540.1 20123.12,17534.88 20126.81,17531.19 20132.03,17531.19 20144.31,17543.47 20149.53,17543.47 20163,17530 20163,17520.46 20159.31,17516.77 20126.69,17516.77 20123,17513.08 20123,17507.86 20126.69,17504.17 20159.31,17504.17 20163,17500.48 20163,17495.26 20159.31,17491.57 20126.69,17491.57 20123,17487.88 20123,17482.66 20126.69,17478.97 20159.31,17478.97 20163,17475.28 20163,17470.06 20159.31,17466.37 20126.69,17466.37 20123,17462.68 20123,17457.46 20126.69,17453.77 20159.31,17453.77 20163,17450.08 v1(20163,17419.2)
  BOTTOM w4.2: v1(20163,17419.2) 20171.8,17428 20364,17428 20393,17399 20393,17336 20432,17297 20521,17297 20648,17170 20735.83,17170 20740.03,17174.2 20740.03,17183.8 20744.22,17188 20752.62,17188 20756.83,17183.8 20756.83,17174.2 20761.03,17170 20781,17170 20838.5,17227.5 20838.5,17240.5 20843,17245 20856,17245 20895,17284 20904,17284 20909,17289 20928,17289 20933,17284 21039.5,17284 21043.7,17288.2 21043.7,17294.8 21047.9,17299 21056.3,17299 21060.5,17294.8 21060.5,17288.2 21064.7,17284 21073.1,17284 21077.3,17288.2 21077.3,17294.8 21081.5,17299 21089.9,17299 21094.1,17294.8 21094.1,17288.2 21098.3,17284 21106.7,17284 21110.9,17288.2 21110.9,17294.8 21115.1,17299 21123.5,17299 21127.7,17294.8 21127.7,17288.2 21131.9,17284 21154,17284 21194,17244 21227,17244 21339.16,17131.84 21342.16,17131.84 R2M14.2@21354.25,17119.75
RMII_S0_TXD1_R: R2M14.1 U2A5.D22 | length 719.4
  TOP w4.2: v1(21470,16975) 21470,16946 21506,16910 21506,16883 21548,16841 21548,16801 21573,16776 v1(21573,16773) ; U2A5.D22@21685.82,16563.02 21701.98,16563.02 v1(21703,16562)
  BOTTOM w4.2: R2M14.1@21379,17095 21392,17082 21392,17028 21445,16975 v1(21470,16975) ; v1(21573,16773) 21607,16773 21636,16744 21636,16680 21661,16655 21661,16604 v1(21703,16562)
RMII_S1_TXD0: R3A17.1 U2A5.D15 | length 1196.2
  TOP w4: 21489,16340 21589.99,16440.99 21648.17,16440.99 21648.25,16440.93 21652.05,16438.13 21654.69,16435.73 21660.99,16435.73 21664.14,16438.88 21665.7,16440.09 21674.6,16448.99 U2A5.D15@21685.82,16448.99
  TOP w4.2: R3A17.1@20853,16142 20887,16142 20972,16057 21205,16057 21254,16008 21364,16008 21396.5,16040.5 21396.5,16135.5 21489,16228 21489,16340
RMII_S1_TXD1: R3A14.1 U2A5.B15 | length 864.6
  TOP w4: 21534,16413 21569.99,16448.99 U2A5.B15@21657.59,16448.99
  TOP w4.2: R3A14.1@21123,16085 21194,16085 21259,16020 21355,16020 21381.5,16046.5 21381.5,16136.5 21473,16228 21473,16352 21534,16413
ROSC_VR: R3A19.2 U3A1.6 | length 80.3
  TOP w4.2: U3A1.6@20814.84,16401.12 20814.84,16352.26 20825,16342.1 R3A19.2@20825,16325
RSVD_0: R3L8.1 U2A5.AK19 | length 186
  TOP w4: U2A5.AK19@22094.2,16521 22094.2,16527.2 v1(22106,16539)
  BOTTOM w4: v1(22106,16539) 22117,16528 22145.86,16528 22151.86,16534 22189,16534 22199,16544 22236,16544 22248,16532 R3L8.1@22248,16527
RSVD_1: R3L8.2 U2A5.AH19 | length 182.5
  TOP w4: U2A5.AH19@22066.2,16521 22066.2,16529.2 v1(22077,16540)
  BOTTOM w4: v1(22077,16540) 22077,16524 22081,16520 22141,16520 22142,16519 22151,16519 22156,16524 22193.14,16524 22198.07,16528.93 22211.07,16528.93 R3L8.2@22213,16527
RSVD_2: R3L9.1 U2A5.AK17 | length 115.7
  TOP w4: U2A5.AK17@22095.95,16487 22095.95,16481.05 v1(22107,16470)
  BOTTOM w4: v1(22107,16470) 22107,16477 22114,16484 22124.37,16484 22126.37,16486 22139.63,16486 22141.63,16484 22151.63,16474 22167,16474 R3L9.1@22180,16487
RSVD_3: R3L9.2 U2A5.AL17 | length 120
  TOP w4: U2A5.AL17@22119.29,16487 22119.29,16483.71 v1(22133,16470)
  BOTTOM w4: v1(22133,16470) 22139,16464 22171.14,16464 22178.14,16471 22204.57,16471 22215,16481.43 R3L9.2@22215,16487
RSVD_4: R2B1.1 U2A5.AR35 U2A5.AT34 | length 178.8
  TOP w4.2: R2B1.1@22175,16902 22175,16880 22190,16865 22190,16777.53 U2A5.AR35@22172.54,16760.07 U2A5.AT34@22189.07,16743.54
RSVD_5: R3L10.1 U2A5.AE10 | length 138.4
  TOP w4: v1(21994,16358) 22000.21,16351.79 U2A5.AE10@22014.96,16351.79
  BOTTOM w4: R3L10.1@21989,16251 21982,16258 21982,16305 21988,16311 21988,16327 21994,16333 v1(21994,16358)
RSVD_6: R3L14.1 U2A5.AA10 | length 134.2
  TOP w4: v1(21945,16323) 21963.02,16341.02 U2A5.AA10@21963.02,16356.56
  BOTTOM w4: v1(21945,16323) 21945,16320 21962,16303 21967,16303 21972,16298 21972,16268 R3L14.1@21955,16251
RSVD_7: R3A24.1 U2A5.B1 | length 185.5
  TOP w4: R3A24.1@21517,16128 21526,16119 21534,16119 21567,16152 21597.53,16152 U2A5.B1@21659.46,16213.93
RSVD_8: R3A24.2 U2A5.A2 | length 182.8
  TOP w4: R3A24.2@21541.75,16152.75 21551,16162 21593.39,16162 21599.76,16168.37 21599.76,16173.34 21595.03,16178.06 21595.03,16183.03 21598.55,16186.55 21603.52,16186.55 21608.24,16181.82 21613.21,16181.82 21616.73,16185.34 21616.73,16190.31 21612,16195.03 21612,16200 21615.52,16203.52 21620.49,16203.52 21625.21,16198.8 21630.18,16198.8 21642.93,16211.54 U2A5.A2@21642.93,16230.46
RSVD_9: R3L12.1 U2A5.AF11 | length 208.9
  TOP w4: v1(22044,16355) U2A5.AF11@22044,16375
  BOTTOM w4: R3L12.1@22029,16207 22031,16209 22031,16230.86 22008,16253.86 22008,16261.23 22002,16267.23 22002,16268.41 22001.9,16268.5 22001.9,16318.04 22003.7,16319.84 22003.7,16323.7 22014.5,16334.5 22014.5,16343.5 22026,16355 v1(22044,16355)
RSVD_10: R3L12.2 U2A5.AD11 | length 210
  TOP w4: U2A5.AD11@22012,16375 22012,16371.72 22026.96,16356.76 22026.96,16337.04 v1(22031,16333)
  BOTTOM w4: v1(22031,16333) 22011.9,16313.9 22011.9,16272.65 22012,16272.55 22012,16271.37 22018,16265.37 22018,16258 22049,16227 22057,16227 22064,16220 R3L12.2@22064,16207
RSVD_11: R2B28.1 U2A5.L34 | length 112.6
  TOP w4: 21799,16794 21804,16789 21804,16747.43 U2A5.L34@21801.98,16745.41
  TOP w4.2: R2B28.1@21765,16841 21799,16807 21799,16794
RSVD_12: R2B28.2 U2A5.L32 | length 195.1
  TOP w4: 21785,16793 21793.98,16784.02 21793.98,16754.83 21793.92,16754.75 21791.12,16750.95 21788.72,16748.31 21788.72,16742.01 21791.87,16738.86 21793.08,16737.3 21801.98,16728.4 U2A5.L32@21801.98,16717.18
  TOP w4.2: R2B28.2@21740.25,16865.75 21731,16856.5 21731,16831 21764.9,16797.1 21780.9,16797.1 21785,16793
RTC32K_CLK_SEL: R2L10.2 R2L11.1 U2A5.E11 | length 298.5
  TOP w4: v1(21709.8,16351.35) U2A5.E11@21709.8,16367.35
  BOTTOM w4.2: R2L11.1@21514,16228 21529.03,16243.03 21529.03,16253.13 21536.9,16261 R2L10.2@21554,16261 21554,16289 21581,16316 21603,16316 21619,16300 21638,16300 21675.27,16337.27 21695.72,16337.27 v1(21709.8,16351.35)
RTCRST_N: C2L1.1 R2L9.2 U2A5.J7 | length 213.5
  TOP w4: U2A5.J7@21763.04,16307.42 21763.04,16320.6 v1(21765.8,16323.35)
  BOTTOM w4: C2L1.1@21646,16264 21647,16265 21674.72,16265 21703.17,16293.45 21703.45,16293.45 21704,16294 21757,16294 21765.8,16302.8 v1(21765.8,16323.35)
  BOTTOM w4.2: R2L9.2@21646,16224 C2L1.1@21646,16264
RTCX1: C2A6.2 R2A9.1 U2A5.J2 Y2A1.1 | length 391
  TOP w4: U2A5.J2@21763.97,16228.59 21763.97,16188.03 21767,16185 21767,16161
  TOP w4.2: C2A6.2@21731,16059 R2A9.1@21690,16059 ; Y2A1.1@21756.68,15983 21756.68,16033.6 21753.28,16037 21702,16037 21690,16049 R2A9.1@21690,16059 ; 21767,16161 21767,16140 21748.19,16121.19 21724.96,16121.19 21690,16086.23 R2A9.1@21690,16059
RTCX2: C3A10.2 R2A9.2 U2A5.G3 Y2A1.2 | length 419.1
  TOP w4: 21655,16073 21666,16084 21676.31,16084 21725.81,16133.5 21746.5,16133.5 21755.97,16142.97 21755.97,16218.47 21751.97,16225.2 U2A5.G3@21744.97,16243.26
  TOP w4.2: Y2A1.2@21591.32,15983 21591.32,16033.6 21594.72,16037 21646,16037 21655,16046 R2A9.2@21655,16059 ; C3A10.2@21615,16059 R2A9.2@21655,16059 ; 21655,16073 R2A9.2@21655,16059
S0_1V0_EN: R2L3.1 U2A5.F4 U3A1.40 | length 1729.5
  TOP w4: 21684,16114 21692,16114 21715.5,16137.5 21715.5,16157.13 21733.96,16175.59 21733.96,16219.16 21736.82,16223.04 21738.03,16227.05 21738.03,16233.05 21736.49,16234.59 21735.12,16236.37 21725.97,16249 U2A5.F4@21725.96,16256.82
  TOP w4.2: U3A1.40@20688.12,16429.42 20688.12,16416.82 20683.3,16412 20666,16412 20632,16378 20632,16317 20617,16302 20617,16236 20633,16220 20778,16220 20816,16182 20861,16182 20907,16136 21169,16136 v1(21266,16039) ; v1(21356,15962) 21470,15962 21567,16059 21567,16097.4 21583.6,16114 21684,16114
  BOTTOM w4.2: v1(21266,16039) 21278.1,16026.9 21291.1,16026.9 v1(21356,15962) 21334,15940 R2L3.1@21334,15914
S0_1V5_EN: R2A6.1 R3A1.1 U2A2.D2 U2A3.7 U2A5.F2 | length 3404.2
  TOP w4: 21671,16124 21688.32,16124 21707.5,16143.18 21707.5,16160.5 21725.96,16178.96 U2A5.F2@21725.96,16228.59
  TOP w4.2: R3A1.1@21118,15430 21122,15426 v1(21122,15404) 21163,15404 21209.5,15450.5 21214.5,15450.5 21254,15490 21272,15490 21302.8,15520.8 21408.6,15520.8 21424.7,15504.7 21434.6,15494.8 21444.27,15494.8 21452.47,15486.6 21477.52,15486.6 21485.72,15494.8 21504.4,15494.8 21515.2,15505.6 21552.52,15505.6 21619.4,15572.48 21619.4,15609.8 21627.6,15618 22113,15618 22147,15652 22147,15681 22168,15702 22311,15702 22319.84,15710.84 U2A2.D2@22319.84,15776.47 22328.37,15785 22398,15785 22433,15820 22497,15820 22501,15824 R2A6.1@22501,15843 22518.1,15843 22519.41,15841.69 U2A3.7@22557,15841.69 ; v1(21540,16071) 21558,16089 21558,16100 21582,16124 21671,16124
  BOTTOM w4.2: v1(21122,15404) 21114,15412 21043,15412 21005,15450 21005,15504 21000,15509 20976.6,15509 20909.8,15575.8 20909.8,15766 20975.8,15832 21444,15832 21540,15928 v1(21540,16071)
S0_3V3_EN: R2L18.1 U2A5.E4 U2M1.D2 | length 1396.8
  TOP w4: 21672.23,16133 21686,16133 21699.5,16146.5 21699.5,16166.5 21717.96,16184.96 21717.96,16219.04 21708.98,16228.02 21708.98,16238.98 21711.82,16241.82 21711.82,16247.62 U2A5.E4@21702.62,16256.82
  TOP w4.2: v1(21341,16040) 21363.5,16062.5 21363.5,16135.5 21458.2,16230.2 21458.2,16362 21463,16366.8 21463,16457 21454,16466 v1(21437,16466) ; v1(21427,15982) 21473,15982 21507.5,16016.5 21507.5,16062.5 21578,16133 21672.23,16133
  BOTTOM w4.2: v1(21341,16040) 21399,15982 v1(21427,15982) ; v1(21437,16466) 21468.1,16466 21497.1,16495 21520,16495 21524.1,16499.1 21524.1,16536 21526.1,16538 21526.1,16569.9 21518,16578 R2L18.1@21518,16591 21500.9,16591 21494.8,16597.1 21494.8,16618.05 21484.93,16627.92 21477,16627.92 21468.53,16636.39 U2M1.D2@21468.53,16654.16
S0_PGOOD: C3A5.1 R3A1.2 U2A5.A4 | length 1772.5
  TOP w4: v1(21486,16097) 21486,16123 21539,16176 21573,16176 21629.93,16232.93 21629.93,16235.85 21642.93,16248.85 U2A5.A4@21642.93,16253.81
  TOP w4.2: v1(21107,15470) C3A5.1@21135,15470 21135,15458 21142,15451 21149.1,15451 21153,15447.1 R3A1.2@21153,15430
  BOTTOM w4.2: v1(21107,15470) 21107,15446 21084,15423 21053,15423 21025,15451 21025,15507 21013,15519 20978.2,15519 20922,15575.2 20922,15761 20979,15818 21471,15818 21558,15905 21558,16067 21557.24,16067.76 21557.24,16083 21552.24,16088 21495,16088 v1(21486,16097)
S3_1V5_EN: R2A7.1 R3A2.1 U2A4.D2 U2A5.K1 | length 3132.1
  TOP w4: U2A5.K1@21782.97,16213.93 21784.4,16212.5 21784.4,16152.6
  TOP w4.2: v1(21164,15516) 21177,15529 R3A2.1@21189,15529 21215,15555 21262,15555 21288,15529 21412,15529 21438,15503 21447.67,15503 21455.87,15494.8 21474.12,15494.8 21482.33,15503 21501,15503 21511.8,15513.8 21549.12,15513.8 21611.2,15575.88 21611.2,15613.2 21632,15634 22101,15634 22133,15666 22133,15687 22204.5,15758.5 22204.5,15839.5 22242,15877 22242,15943 22261,15962 22323.69,15962 22331.16,15954.53 U2A4.D2@22355.16,15954.53 22355.16,15958.16 22365,15968 22365,15976.9 22354,15987.9 R2A7.1@22354,16005 ; v1(21762,16091) 21772.5,16101.5 21775.5,16101.5 21784.4,16110.4 21784.4,16152.6
  BOTTOM w4.2: v1(21164,15516) 21164,15522 21136,15550 20997,15550 20958,15589 20958,15722 20983,15747 21101,15747 21115,15761 21534,15761 21713,15940 21713,16042 v1(21762,16091)
S3_3V3_EN: R2L2.1 U2A5.K3 U2L1.D2 | length 1461.3
  TOP w4: U2A5.K3@21782.97,16243.26 21789.97,16225.2 21793.97,16218.47 21793.97,16206.8 21792.6,16205.43 21792.6,16150.4
  TOP w4.2: v1(21312,16039) 21339,16066 21339,16127 21445,16233 21445,16371 21452,16378 21452,16436 21438.1,16449.9 21427.9,16449.9 21414,16463.8 v1(21414,16483) ; v1(21410,15944) 21523,15944 21547,15920 21778,15920 21792,15934 21792,16032.4 21806,16046.4 21806,16072 21792.6,16085.4 21792.6,16150.4
  BOTTOM w4.2: v1(21312,16039) 21394.9,15956.1 21397.9,15956.1 v1(21410,15944) 21423,15931 R2L2.1@21423,15912 ; v1(21414,16483) 21431.16,16500.16 U2L1.D2@21431.16,16517.47
S3_PGOOD: C3A6.1 R3A2.2 U2A5.J4 | length 1725.7
  TOP w4: 21763.97,16249.01 U2A5.J4@21763.97,16256.82 ; 21763.98,16249 21773.13,16236.37 21774.5,16234.59 21776.04,16233.05 21776.04,16227.05 21774.83,16223.04 21771.97,16219.16 21771.97,16207 21776.2,16202.77 21776.2,16143.8
  TOP w4.2: v1(21199,15465) 21186.9,15477.1 21186.9,15491.9 R3A2.2@21189,15494 C3A6.1@21229,15494 ; v1(21728,16095) 21744,16111 21762,16111 21776.2,16125.2 21776.2,16143.8
  BOTTOM w4.2: v1(21199,15465) 21180,15484 21150,15484 21094,15540 20992,15540 20947,15585 20947,15728 20976,15757 21085,15757 21100,15772 21531,15772 21703,15944 21703,16070 v1(21728,16095)
S5_PG_N: Q3B1.5 Q3B1.6 R3B10.2 | length 110.9
  TOP w4.2: Q3B1.5@21375,17226.4 Q3B1.6@21375,17252 21375,17270 21388,17283 21403,17283 21410,17290 R3B10.2@21410,17314